# Altium PCB PWR_Switch_PCB.PcbDoc (continued)
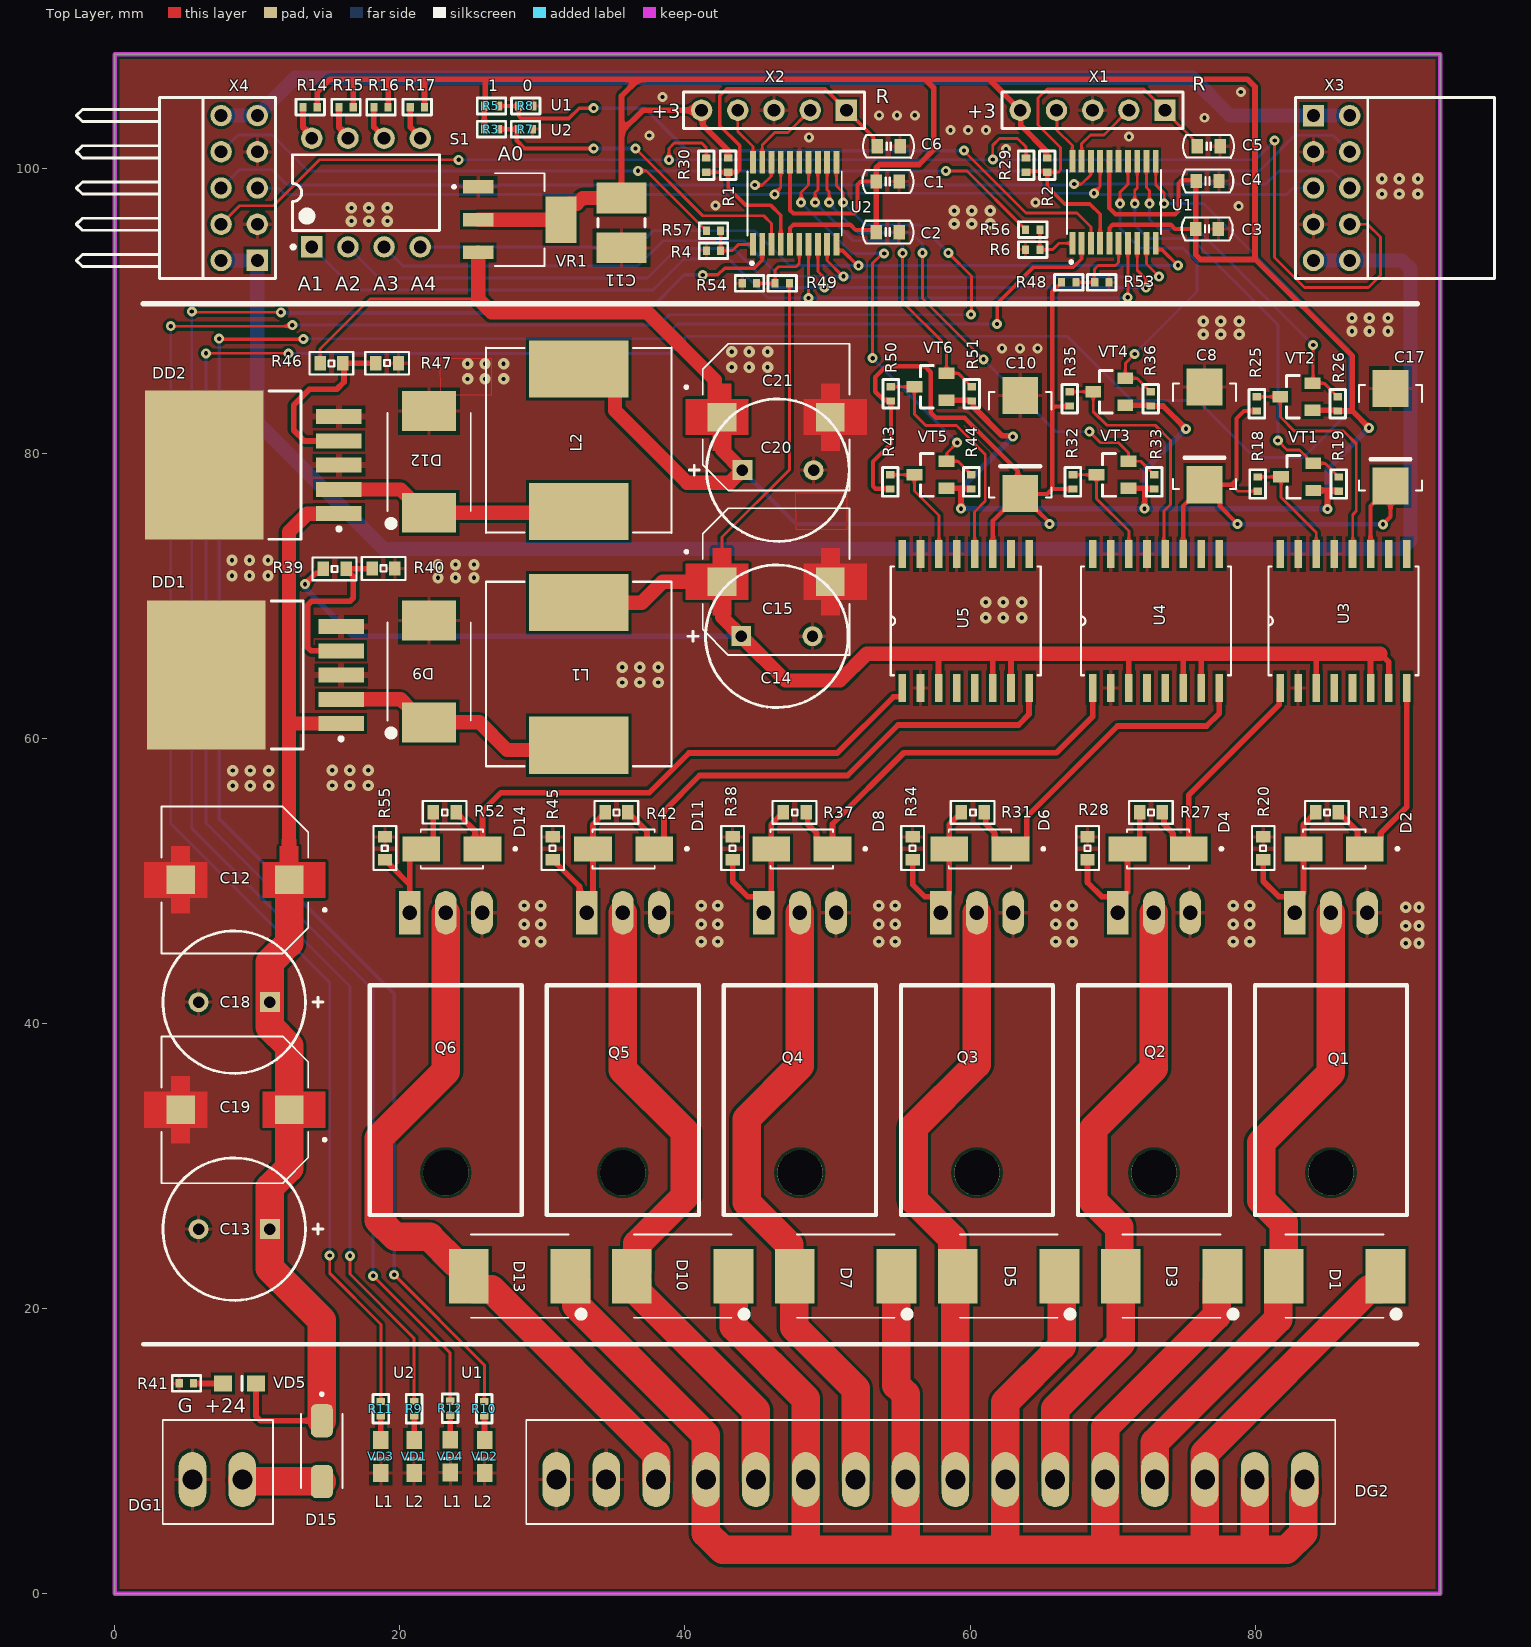
[diagram p0: Top Layer view]
## Part data (continued)

## Via types
v1: diameter 0.8, hole 0.3, Top Layer to Bottom Layer, tented both sides, 114 vias
v2: diameter 0.7, hole 0.3, Top Layer to Bottom Layer, tented both sides, 85 vias

## Nets (pads, with @x,y where several pads share a name; then routed paths per layer and width w, separated by ;. In a path a pad name is that pad's centre, name@x,y a point inside that pad or via, vN(x,y) a via of type N, cw(c..) or ccw(c..) an arc to the next point about the centre after c; other vN are vias at no path point)
+3.3v: C1.1 C2.1 C3.1 C4.1 C11.2 R1.2 R2.2 R3.2 R5.2 R14.1 R15.1 R16.1 R17.1 R19.1 R26.1 R33.1 R36.1 R44.1 R51.1 U1.5 U1.16 U2.5 U2.16 VR1.2 VR1.4 VT1.1 VT2.1 VT3.1 VT4.1 VT5.1 VT6.1 X1.5 X2.5 | length 272.7
  Top Layer w0.3: U2.5 47.375,95.816 47.609,96.05 51.6,96.05 51.975,95.675 C1.1@53.275,95.675 ; U2.16 47.375,97.059 47.609,96.825 51.866,96.825 52.1,97.059 52.1,98.841 52.334,99.075 C2.1 ; U1.16@69.775,100.5 69.775,97.214 70.214,96.775 74.391,96.775 74.625,97.009 74.625,98.941 74.859,99.175 C4.1@75.88,99.175 ; U1.5 69.78,95.816 70.014,96.05 74.08,96.05 74.38,95.75 C3.1@75.68,95.75
  Top Layer w0.4: R14.1 14.2,105.35 15.1,106.25 16.775,106.25 ; R15.1 16.725,106.2 16.775,106.25 ; R16.1 19.175,106.225 19.2,106.25 ; R17.1 21.725,106.25 ; R3.2 R5.2 25.975,104.425 25.975,104.684 26,104.709 26,106.25 ; C11.2 35.55,102.575 ; R1.2 43.001,100.75 43.001,101.299 41.252,103.048 41.252,103.993 X2.5 37.05,104.075 35.55,102.575 ; C1.1@53.275,95.675 C1.1 C2.1@53.425,98.975 ; C2.1@53.425,99.1 53.425,100.041 53.659,100.275 56.425,100.275 57.45,101.3 57.45,105.65 56.85,106.25 ; VT5.1 59.45,77.55 ; VT6.1 60.076,83.725 R51.1 60.176,83.675 60.226,83.625 60.226,83.274 62.268,81.232 62.943,81.232 v2(63,81.175) ; v2(59.375,76.125) 59.375,77.475 59.45,77.55 ; R44.1 60.05,77.55 59.45,77.55 ; R2.2 65.387,100.725 65.337,100.775 65.337,101.238 63.567,103.008 63.567,104.033 61.35,106.25 ; U1.16@69.775,100.5 U1.16 ; VT4.1 72.626,83.375 R36.1 73.55,83.325 v2(75.15,81.725) ; VT3.1 72.3,77.55 ; v2(72.25,76.125) 72.25,77.5 72.3,77.55 ; R33.1 72.875,77.55 72.3,77.55 ; C3.1@75.68,95.75 C3.1@75.83,95.6 ; C4.1@75.88,99.175 75.905,99.15 C4.1 75.83,99.075 C3.1 C3.1@75.83,95.6 ; VT2.1 85.751,83.025 R26.1 86.825,82.975 ; VT1.1 84.95,77.4 ; v2(85.075,76.1) 85.075,77.275 84.95,77.4 ; R19.1 85.825,77.4 84.95,77.4 ; v2(88,81.8) 86.825,82.975 ; 16.775,106.25 19.2,106.25 ; 19.2,106.25 21.725,106.25 ; 21.725,106.25 26,106.25 ; 26,106.25 36.725,106.25 ; 35.55,102.575 35.55,105.075 36.725,106.25 ; 36.725,106.25 56.85,106.25 ; 56.85,106.25 61.35,106.25 ; 61.35,106.25 79.475,106.25 80,105.725 80,93.65 ; C3.1@75.83,95.6 75.83,93.945 76.175,93.6 79.95,93.6 80,93.65 ; 80,93.65 86.825,86.825 86.825,82.975
  Top Layer w1: VR1.2 VR1.4 31.3,96.95 31.875,97.525 32.425,97.525 32.825,97.925 C11.2
  Bottom Layer w0.4: v2(63,81.175) 59.375,77.55 v2(59.375,76.125) v2(72.25,76.125) ; v2(75.15,81.725) 72.25,78.825 v2(72.25,76.125) ; v2(88,81.8) 85.075,78.875 v2(85.075,76.1) 85.05,76.125 v2(72.25,76.125)
+5v: C8.1 C10.1 C17.1 C20.1 C21.1 L2.P$2 R18.1 R25.1 R32.1 R35.1 R43.1 R46.2 R48.1 R50.1 U3.11 U4.11 U5.11 VR1.3 | length 188
  Top Layer w0.2: R46.2 14.4,87.325 17.9,90.825 25.5,90.825 ; 78.35,77.8 78.8,77.35 R18.1
  Top Layer w0.3: R43.1 54.375,77.525 53.376,77.525 53.2,77.701 53.2,79.425 54.45,80.675 R50.1 54.382,83.743 53.932,83.743 53.35,84.325 53.35,85.35 54.125,86.125 56.825,86.125 57.25,85.7 57.25,82.85 57.6,82.5 59.625,82.5 63.351,78.774 63.351,77.374 C10.1 C10.1@63.525,77.15 ; U5.11 61.605,75.28 62.375,76.05 62.425,76.05 C10.1@63.525,77.15 ; v2(65.575,75.05) 65.575,75.15 64.675,76.05 64.625,76.05 C10.1@63.525,77.15 ; R48.1 66.43,91.95 66.33,91.85 66.28,91.85 65.775,91.345 65.775,83.119 ; R35.1 66.969,83.294 65.951,83.294 65.775,83.119 ; R32.1 65.775,77.5 ; U4.11 74.955,76.305 75.3,76.65 75.35,76.65 C8.1@76.45,77.75 ; v2(78.775,75.05) 77.531,76.294 77.531,76.669 C8.1@76.45,77.75 ; R25.1 79.225,82.975 78.7,82.45 78.7,78.15 78.35,77.8 C8.1 C8.1@76.45,77.75 ; U3.11 88.105,76.305 88.35,76.55 88.4,76.55 C17.1@89.5,77.65 ; v2(88.975,75.029) 89.5,75.554 C17.1@89.5,77.65 ; C17.1 C17.1@89.5,77.65 ; C10.1@63.525,77.15 65.425,77.15 65.775,77.5 ; 65.775,77.5 65.775,83.119
  Top Layer w1: VR1.3 25.5,90.825 26.425,89.9 37.35,89.9 42.1,85.15 42.1,83.05 C21.1 42.6,80.25 C20.1 43.15,77.95 40.15,77.95 35.089,83.011 35.089,84.425 33.589,85.925 L2.P$2
  Bottom Layer w0.3: C20.1 47.8,75.05 v2(65.575,75.05) v2(78.775,75.05) 78.796,75.029 v2(88.975,75.029)
+12v: C14.1 C15.1 L1.P$2 R39.2 R49.1 U3.3 U3.6 U3.7 U4.3 U4.6 U4.7 U5.3 U5.6 U5.7 | length 141
  Top Layer w0.2: C15.1 42.6,74.125 47.325,78.85 R49.1
  Top Layer w0.4: v2(13.35,70.825) 14.125,71.6 14.425,71.6 14.625,71.8 R39.2 ; U5.3 57.795,65.695 58.05,65.95 ; 61.55,65.95 61.605,65.895 U5.6 ; U5.7 62.875,65.875 62.95,65.95 ; U4.3 71.145,65.895 71.2,65.95 ; U4.6 74.955,65.93 74.975,65.95 ; U4.7 76.225,65.925 76.25,65.95 ; 84.175,65.95 84.295,65.83 U3.3 ; 88.1,65.95 88.105,65.945 U3.6 ; 88.789,65.95 89.375,65.364 U3.7
  Top Layer w1: L1.P$2 36.975,69.525 38.45,71 C15.1 42.6,68.525 C14.1 47.05,64.075 50.875,64.075 52.75,65.95 58.05,65.95 61.55,65.95 62.95,65.95 71.2,65.95 74.975,65.95 76.25,65.95 84.175,65.95 88.1,65.95 88.789,65.95
  Bottom Layer w0.4: v2(13.35,70.825) 13.35,70.55 16.725,67.175 C14.1
+24v: C12.1 C13.1 C18.1 C19.1 D15.C DD1.1 DD2.1 VD5.K | length 80.3
  Top Layer w0.4: VD5.K 9.9,12.45 10.215,12.135 D15.C
  Top Layer w1: C12.1 12.225,61.05 ; DD2.1 13.5,75.775 12.225,74.5 12.225,61.05 ; DD1.1 12.225,61.05
  Top Layer w2: C12.1 12.225,45.65 10.875,44.3 C18.1 10.875,39.775 12.225,38.425 C19.1 12.225,29.85 10.875,28.5 C13.1 10.875,22.825 14.525,19.175 D15.C
A1: S1.1 U1.7 U2.7 | length 69
  Top Layer w0.2: v2(48.675,90.9) U2.7 ; v2(71.063,90.95) 71.19,90.95 71.225,90.915 71.08,90.77 U1.7
  Bottom Layer w0.2: S1.1 14.465,93.84 16.83,91.475 37.75,91.475 39.925,93.65 43.075,93.65 45.825,90.9 v2(48.675,90.9) 71.063,90.9 71.2,90.9 71.15,90.95 v2(71.063,90.95)
A2: S1.2 U1.8 U2.8 | length 65.5
  Top Layer w0.2: U2.8 49.325,92.775 49.775,92.325 v2(49.775,91.65) ; U1.8 71.73,92.85 72.375,92.205 72.375,91.65 v2(72.35,91.625)
  Bottom Layer w0.2: S1.2 18.545,92.3 37.375,92.3 39.45,94.375 43.425,94.375 46.15,91.65 v2(49.775,91.65) 72.325,91.65 v2(72.35,91.625)
A3: S1.3 U1.9 U2.9 | length 62.2
  Top Layer w0.2: U2.9 49.975,93.525 51.075,92.425 v2(51.125,92.425) ; U1.9 72.38,93.28 v2(73.259,92.401)
  Bottom Layer w0.2: S1.3 20.235,93.15 36.675,93.15 38.45,94.925 44.125,94.925 46.625,92.425 v2(51.125,92.425) 51.179,92.371 73.229,92.371 v2(73.259,92.401)
A4: S1.4 U1.10 U2.10 | length 59.5
  Top Layer w0.25: U2.10 50.625,94.316 50.705,94.236 51.059,94.236 52.12,93.175 v2(52.175,93.175) ; U1.10 73.03,94.391 73.11,94.311 73.464,94.311 74.575,93.2 v2(74.6,93.2)
  Bottom Layer w0.2: S1.4 36.64,94.49 37.775,95.625 44.875,95.625 47.325,93.175 v2(52.175,93.175) v2@74.575,93.175
  Bottom Layer w0.25: v2@74.575,93.175 v2(74.6,93.2)
ADC: R48.2 R53.2 U1.6 | length 5.5
  Top Layer w0.2: R48.2 68.73,92 68.73,92.925 68.98,93.175 70.205,93.175 70.43,93.4 U1.6
ADC1: R49.2 R54.2 U2.6 | length 5.5
  Top Layer w0.2: R54.2 R49.2 46.325,92.85 46.575,93.1 47.8,93.1 48.025,93.325 U2.6
CH1: R26.2 U1.12 VT2.2 | length 24.2
  Top Layer w0.2: U1.12 72.38,98.645 72.592,98.433 v2(72.592,97.525) ; v2(84.075,87.6) 84.075,84.975 VT2.2 84.851,84.925 85.601,84.175 85.601,84.125 85.751,83.975 R26.2
  Bottom Layer w0.2: v2(72.592,97.525) 72.592,96.408 73.25,95.75 75.925,95.75 78.3,93.375 v2(84.075,87.6)
CH2: R19.2 U1.13 VT1.2 | length 31.1
  Top Layer w0.2: v2(71.558,97.525) 71.558,98.458 71.73,98.63 U1.13 ; v2(81.6,80.9) 82.25,80.25 83.125,80.25 83.625,79.75 83.625,79.6 83.925,79.3 84.925,79.3 85.675,78.55 85.675,78.5 85.825,78.35 R19.2
  Bottom Layer w0.2: v2(71.558,97.525) 71.558,96.017 72.5,95.075 75.55,95.075 81.6,89.025 v2(81.6,80.9)
CH3: R36.2 U1.14 VT4.2 | length 23.7
  Top Layer w0.2: v2(70.525,97.525) 70.525,98.325 71.08,98.88 U1.14 ; v2(71.55,86.975) 70.9,86.325 VT4.2 71.726,85.275 72.476,84.525 72.476,84.475 72.626,84.325 R36.2
  Bottom Layer w0.2: v2(70.525,97.525) 70.525,95.8 71.925,94.4 74.95,94.4 75.925,93.425 75.925,91.35 v2(71.55,86.975)
CH4: R33.2 U2.12 VT3.2 | length 36.3
  Top Layer w0.2: U2.12 49.975,98.5 50.117,98.358 v2(50.117,97.6) ; v2(56.675,94.075) 56.675,90.875 v2(60.95,86.6) ; v2(68.375,81.525) 69.15,80.75 70.425,80.75 71.125,80.05 VT3.2 71.975,79.45 72.725,78.7 72.725,78.65 72.875,78.5 R33.2
  Bottom Layer w0.2: v2(50.117,97.6) 50.117,97.533 52.175,95.475 55.9,95.475 56.675,94.7 v2(56.675,94.075) ; v2(60.95,86.6) 66.025,81.525 v2(68.375,81.525)
CH5: R51.2 U2.13 VT6.2 | length 22.7
  Top Layer w0.2: v2(49.133,97.6) 49.133,98.308 49.325,98.5 U2.13 ; v2(55.275,94.05) 55.275,90.625 58.35,87.55 VT6.2 59.176,85.625 59.926,84.875 59.926,84.825 60.076,84.675 R51.2
  Bottom Layer w0.2: v2(49.133,97.6) 51.808,94.925 54.875,94.925 55.253,94.547 55.253,94.072 v2(55.275,94.05)
CH6: R44.2 U2.14 VT5.2 | length 30.5
  Top Layer w0.2: v2(48.15,97.6) 48.15,98.3 48.675,98.825 U2.14 ; v2(53.171,86.679) 53.171,93.346 53.85,94.025 v2(53.975,94.025) ; v2(59.1,80.75) 58.383,80.033 58.383,79.483 VT5.2 59.15,79.45 59.9,78.7 59.9,78.65 60.05,78.5 R44.2
  Bottom Layer w0.2: v2(48.15,97.6) 51.725,94.025 v2(53.975,94.025) ; v2@53.171,86.929 v2(53.171,86.679) v2(59.1,80.75)
GND: C1.2 C2.2 C3.2 C4.2 C5.1 C6.1 C8.2 C10.2 C11.1 C12.2 C13.2 C14.2 C15.2 C17.2 C18.2 C19.2 C20.2 C21.2 D9.A D12.A DD1.3 DD1.5 DD1.6 DD2.3 DD2.5 DD2.6 DG1.2 DG2.15 DG2.16 Q1.3 Q2.3 Q3.3 Q4.3 Q5.3 Q6.3 R4.2 R6.2 R7.1 R8.1 R20.2 R28.2 R34.2 R38.2 R40.2 R41.1 R45.2 R47.2 R53.1 R54.1 R55.2 U1.15 U2.15 U3.2 U3.13 U3.15 U4.2 U4.13 U4.15 U5.2 U5.13 U5.15 VD1.K VD2.K VD3.K VD4.K VR1.1 X1.3 X2.3 X3.3 X3.7 X4.3 X4.7
  other v1: 90.575,45.625 91.5,45.625 28.725,45.75 29.875,45.75 41.15,45.75 42.3,45.75 53.6,45.75 54.75,45.75 66.025,45.75 67.175,45.75 78.475,45.75 79.625,45.75 90.575,46.85 91.5,46.85 28.725,46.975 29.875,46.975 41.15,46.975 42.3,46.975 53.6,46.975 54.75,46.975 66.025,46.975 67.175,46.975 78.475,46.975 79.625,46.975 90.575,48.15 91.5,48.15 28.725,48.275 29.875,48.275 41.15,48.275 42.3,48.275 53.6,48.275 54.75,48.275 66.025,48.275 67.175,48.275 78.475,48.275 79.625,48.275 8.275,56.675 9.5,56.675 10.8,56.675 15.25,56.7 16.475,56.7 17.775,56.7 8.275,57.75 9.5,57.75 10.8,57.75 15.25,57.775 16.475,57.775 17.775,57.775 35.6,63.925 36.825,63.925 38.125,63.925 35.6,65 36.825,65 38.125,65 61.1,68.475 62.325,68.475 63.625,68.475 61.1,69.55 62.325,69.55 63.625,69.55 22.675,71.275 23.9,71.275 25.2,71.275 8.225,71.425 9.45,71.425 10.75,71.425 22.675,72.2 23.9,72.2 25.2,72.2 8.225,72.5 9.45,72.5 10.75,72.5 24.75,85.225 25.975,85.225 27.275,85.225 43.275,86.05 44.5,86.05 45.8,86.05 24.75,86.3 25.975,86.3 27.275,86.3 43.275,87.125 44.5,87.125 45.8,87.125 76.375,88.35 77.6,88.35 78.9,88.35 86.8,88.575 88.025,88.575 89.325,88.575 76.375,89.275 77.6,89.275 78.9,89.275 86.8,89.5 88.025,89.5 89.325,89.5 58.9,96.1 60.125,96.1 61.425,96.1 16.6,96.3 17.825,96.3 19.125,96.3 58.9,97.025 60.125,97.025 61.425,97.025 16.6,97.225 17.825,97.225 19.125,97.225 88.9,98.2 90.125,98.2 91.425,98.2 88.9,99.275 90.125,99.275 91.425,99.275
  other v2: 62.25,87.375 63.5,87.375 64.75,87.375 78.85,97.35 42.15,97.4 64.6,97.6 62.525,101.35 48.7,102.175 71.15,102.225 37.5,102.3 58.625,102.675 59.875,102.675 61.125,102.675 76.45,103.55 53.625,103.725 54.875,103.725 56.125,103.725 38.425,105 79,105.35
M1_A0: R5.1 R8.2 U1.3 | length 47.3
  Top Layer w0.2: v2(59.575,101.25) 59.575,101.225 63.925,96.875 67.5,96.875 68.48,95.895 U1.3
  Top Layer w0.25: R5.1 R8.2 28.34,103.646 28.487,103.5 31.85,103.5 32.575,104.225 v2(33.6,104.225)
  Bottom Layer w0.25: v2(33.6,104.225) 37.175,104.225 39.475,101.925 40.175,101.225 59.55,101.225 v2(59.575,101.25)
M1_BOOT: R6.1 R56.2 U1.1 | length 3.9
  Top Layer w0.2: R56.2 R6.1 65.8,94.3 66.245,94.745 U1.1
M1_LED: R10.1 U1.2 | length 147.1
  Top Layer w0.2: v2(19.6,22.375) 25.925,16.05 R10.1
  Top Layer w0.25: v2(7.325,88.05) 7.35,88.025 v2(13.225,88.025) ; v2(61.9,89.075) 61.9,90.524 64.451,93.075 67.255,93.075 67.83,93.65 U1.2
  Bottom Layer w0.2: v2(13.225,88.025) 13.25,88.05 38.45,88.05 39.475,89.075 v2(61.9,89.075)
  Bottom Layer w0.25: v2(7.325,88.05) 7.325,54.35 19.6,42.075 v2(19.6,22.375)
M1_LED1: R12.1 U1.11 | length 191
  Top Layer w0.2: v2(6.4,87.025) 12.15,87.025 v2(12.175,87) ; v2(18.125,22.3) 23.525,16.9 R12.1 ; U1.11 73.03,98.845 73.625,98.25 v2(73.625,97.525)
  Bottom Layer w0.2: v2(6.4,87.025) 6.4,54.075 18.125,42.35 v2(18.125,22.3) ; v2(12.175,87) 38.9,87 40.125,88.225 66.825,88.225 71.325,83.725 75.95,83.725 79.95,79.725 83.4,79.725 86.575,82.9 86.575,87.325 76.375,97.525 v2(73.625,97.525)
M1_NRST: C5.2 R2.1 R29.2 U1.4 X1.1 | length 29.1
  Top Layer w0.2: R2.1 65.431,99.725 66.2,99.725 66.35,99.875 66.35,101.475 64.775,103.05 64.775,104.925 65.425,105.575 72.185,105.575 X1.1 74.335,103.425 74.335,103.365 75.65,102.05 75.65,101.85 C5.2
  Top Layer w0.25: R29.2@63.905,99.8 65.431,99.8 65.431,99.725 65.431,98.724 66.655,97.5 68.405,97.5 69.13,96.775 U1.4
M1_SWCLK: U1.20 X1.4 | length 4.1
  Top Layer w0.2: X1.4@66.115,104.15 66.115,102.665 67.18,101.6 U1.20
M1_SWDIO: U1.19 X1.2 | length 5.6
  Top Layer w0.2: U1.19 67.83,101.725 68.455,102.35 69.395,102.35 X1.2@71.195,104.15
M2_A0: R3.1 R7.2 U2.3 | length 24
  Top Layer w0.2: v2(36.525,101.4) 41.25,96.675 45.525,96.675 46.075,96.125 U2.3
  Top Layer w0.3: R3.1 R7.2 28.215,102.65 28.215,102.439 28.2,102.424 28.2,101.95 28.75,101.4 v2(33.6,101.4)
  Bottom Layer w0.3: v2(33.6,101.4) v2(36.525,101.4)
M2_BOOT: R4.1 R57.2 U2.1 | length 3.9
  Top Layer w0.2: R57.2 R4.1 43.325,94.225 43.77,94.67 U2.1
M2_LED: R9.1 U2.2 | length 125.6
  Top Layer w0.2: v2(5.4,89.95) 5.45,89.9 v2(11.65,89.9) ; v2(16.5,23.7) 16.5,22.425 21,17.925 R9.1
  Top Layer w0.25: v2(41.25,92.525) 42.311,92.525 42.786,93 44.85,93 45.425,93.575 U2.2
  Bottom Layer w0.2: v2(5.4,89.95) 5.4,53.7 16.5,42.6 v2(16.5,23.7)
  Bottom Layer w0.25: v2(11.65,89.9) 11.7,89.85 37.275,89.85 39.95,92.525 v2(41.25,92.525)
M2_LED1: R11.1 U2.11 | length 154.9
  Top Layer w0.2: v2(3.925,88.925) 12.325,88.925 12.425,89.025 v2(12.45,89) ; v2(15.075,23.725) 15.075,22.475 18.667,18.883 R11.1 ; U2.11 50.625,98.775 51.1,98.3 v2(51.1,97.6) ; v2(58.475,94.075) 60.1,92.45 60.1,89.775 v2(60.075,89.75)
  Bottom Layer w0.2: v2(3.925,88.925) 3.925,54.025 15.075,42.875 v2(15.075,23.725) ; v2(12.45,89) 38.175,89 38.9,89.725 60.05,89.725 v2(60.075,89.75) ; v2(51.1,97.6) 52.675,96.025 56.525,96.025 v2(58.475,94.075)
M2_NRST: C6.2 R1.1 R30.2 U2.4 X2.1 | length 29
  Top Layer w0.25: R30.2 R1.1 ; U2.4 46.725,96.7 46,97.425 44.25,97.425 43.026,98.649 R1.1 ; C6.2 53.225,101.825 53.225,102.18 X2.1 49.83,105.575 42.925,105.575 42.45,105.1 42.45,103 43.85,101.6 43.85,99.871 43.704,99.725 R1.1
M2_SWCLK: U2.20 X2.4 | length 4.1
  Top Layer w0.2: X2.4 43.71,102.59 44.775,101.525 U2.20
M2_SWDIO: U2.19 X2.2 | length 5.6
  Top Layer w0.2: U2.19 45.425,101.65 46.3,102.525 47.24,102.525 X2.2
NetD2_A: D2.A Q1.1 R13.2 R20.1 | length 12.1
  Top Layer w0.4: R20.1 80.575,49.985 81.657,48.903 82.223,48.903 Q1.1@82.785,48.341 ; Q1.1 Q1.1@82.785,48.341 ; R13.2 84.25,54.72 84.05,54.52 83.95,54.52 83.4,53.97 D2.A 83.4,49.152 82.785,48.537 Q1.1@82.785,48.341
NetD2_K: D2.K R13.1 U3.8 | length 16.2
  Top Layer w0.4: R13.1 85.85,54.72 86.05,54.52 86.15,54.52 87.184,53.486 87.184,52.761 D2.K 88.149,52.245 88.824,52.92 88.824,53.369 90.645,55.19 U3.8
NetD4_A: D4.A Q2.1 R27.2 R28.1 | length 12.3
  Top Layer w0.4: R28.1 68.25,49.89 69.237,48.903 69.803,48.903 Q2.1@70.365,48.341 ; Q2.1 Q2.1@70.365,48.341 ; D4.A D4.A@71.05,52.025 ; R27.2 71.9,52.875 D4.A@71.05,52.025 ; Q2.1@70.365,48.341 70.365,48.537 71.05,49.222 D4.A@71.05,52.025
NetD4_K: D4.K R27.1 U3.1 | length 17.6
  Top Layer w0.4: R27.1 73.612,54.708 73.612,53.983 74.226,53.369 74.226,52.92 74.901,52.245 D4.K 75.35,56.025 81.688,62.363 81.688,63.483 U3.1
NetD6_A: D6.A Q3.1 R31.2 R34.1 | length 12
  Top Layer w0.4: R34.1 55.975,49.745 56.817,48.903 57.383,48.903 Q3.1@57.945,48.341 ; Q3.1 Q3.1@57.945,48.341 ; R31.2 59.4,54.72 59.2,54.52 59.1,54.52 58.55,53.97 D6.A 58.55,49.142 57.945,48.537 Q3.1@57.945,48.341
NetD6_K: D6.K R31.1 U4.8 | length 24.9
  Top Layer w0.4: R31.1 61.112,54.708 61.112,53.983 61.726,53.369 61.726,52.92 62.401,52.245 D6.K 63.299,52.245 63.974,52.92 63.974,54.499 70.35,60.875 76.6,60.875 77.495,61.77 U4.8
NetD8_A: D8.A Q4.1 R37.2 R38.1 | length 12.6
  Top Layer w0.4: R38.1 43.35,49.95 44.397,48.903 44.963,48.903 45.525,48.341 Q4.1 46.05,48.3 D8.A 46.05,53.97 46.6,54.52 46.7,54.52 46.9,54.72 R37.2
NetD8_K: D8.K R37.1 U4.1 | length 28.8
  Top Layer w0.4: R37.1 48.612,54.708 48.612,53.983 49.226,53.369 49.226,52.92 49.901,52.245 D8.K 50.35,54 55.35,59 66.075,59 68.605,61.53 U4.1
NetD9_C: D9.C DD1.2 L1.P$1 | length 18.3
  Top Layer w1: DD1.2 20.059,62.75 20.645,62.164 20.645,62.028 21.542,61.132 D9.C 25.593,61.132 27.525,59.2 32.25,59.2 L1.P$1@32.55,59.5
NetD11_A: D11.A Q5.1 R42.2 R45.1 | length 12.4
  Top Layer w0.4: R45.1 30.825,51.5 31.025,51.3 31.025,51.2 32.61,49.615 32.61,48.27 Q5.1 33.55,48.22 D11.A 33.55,53.97 34.1,54.52 34.2,54.52 34.4,54.72 R42.2
NetD11_K: D11.K R42.1 U5.8 | length 36.6
  Top Layer w0.4: R42.1 36,54.72 36.2,54.52 36.3,54.52 37.334,53.486 37.334,52.761 D11.K 38.525,52.92 38.525,54.9 41.025,57.4 51.4,57.4 54.95,60.95 63.4,60.95 64.145,61.695 U5.8
NetD12_C: D12.C DD2.2 L2.P$1 | length 17.6
  Top Layer w1: DD2.2 20.059,77.475 20.645,76.889 20.645,76.728 21.542,75.831 D12.C 32.457,75.831 L2.P$1
NetD14_A: D14.A Q6.1 R52.2 R55.1 | length 10.4
  Top Layer w0.4: R55.1 19.05,51.5 19.25,51.3 19.25,51.2 20.685,49.765 ; Q6.1 20.685,49.765 ; R52.2 22.35,52.92 21.675,52.245 D14.A 21.36,52.245 20.685,51.57 20.685,49.765
NetD14_K: D14.K R52.1 U5.1 | length 39.4
  Top Layer w0.4: R52.1 23.95,54.725 24.15,54.525 24.25,54.525 25.289,53.486 25.289,52.756 D14.K 25.8,54.9 27.1,56.2 37.503,56.2 40.278,58.975 50.68,58.975 54.623,62.918 55.188,62.918 55.255,62.984 U5.1
NetD15_A: D15.A DG1.1 | length 5.7
  Top Layer w2: DG1.1 8.95,7.935 8.985,7.9 14.49,7.9 D15.A
NetDD1_4: DD1.4 R39.1 R40.1 | length 12.9
  Top Layer w0.4: DD1.4 13.759,66.15 13.525,66.384 13.525,69.35 13.8,69.625 16.491,69.625 16.725,69.859 16.725,71.366 16.491,71.6 16.425,71.6 16.225,71.8 R39.1 18.025,71.9 R40.1
NetDD2_4: DD2.4 R46.1 R47.1 | length 13.1
  Top Layer w0.4: DD2.4 13.3,80.875 12.55,81.625 12.55,83.4 13.65,84.5 15.575,84.5 16.075,85 16.075,86.25 R46.1 R47.1
NetR9_2: R9.2 VD1.A | length 1.7
  Top Layer w0.4: VD1.A R9.2
NetR10_2: R10.2 VD2.A | length 1.7
  Top Layer w0.4: R10.2 25.938,12.463 25.938,10.788 VD2.A
NetR11_2: R11.2 VD3.A | length 1.7
  Top Layer w0.4: VD3.A R11.2
NetR12_2: R12.2 VD4.A | length 1.7
  Top Layer w0.4: R12.2 23.534,12.491 23.534,10.809 VD4.A
NetR14_2: R14.2 S1.8 | length 2.4
  Top Layer w0.4: R14.2 13.2,102.894 13.815,102.279 S1.8
NetR15_2: R15.2 S1.7 | length 2.5
  Top Layer w0.4: R15.2 15.725,102.894 16.355,102.264 S1.7
NetR16_2: R16.2 S1.6 | length 2.5
  Top Layer w0.4: R16.2 18.175,102.894 18.895,102.174 S1.6
NetR17_2: R17.2 S1.5 | length 2.5
  Top Layer w0.4: R17.2 20.725,102.894 21.435,102.184 S1.5
NetR18_2: R18.2 U3.14 VT1.3 | length 8.1
  Top Layer w0.2: R18.2 VT1.3 81.825,76.925 84.295,74.455 U3.14
NetR25_2: R25.2 U3.12 VT2.3 | length 17
  Top Layer w0.2: R25.2 VT2.3 81.775,82.55 82.75,81.575 86.2,81.575 87.1,80.675 87.1,75.95 86.85,75.7 86.85,72.963 U3.12
NetR29_1: R29.1 R30.1 X3.8 X4.4 | length 107.4
  Top Layer w0.2: X4.4 8.755,97.375 11.125,97.375 14.35,100.6 v2(24.125,100.6) ; v2(38.875,100.6) 38.875,101.4 39.25,101.775 41.175,101.775 41.5,101.45 R30.1 ; v2(61.6,100.625) 61.6,101.625 62.075,102.1 63.34,102.1 63.93,101.51 R29.1 ; v2(81.375,101.95) 81.375,98.025 81.375,93.75 83.475,91.65 87.95,91.65 88.8,92.5 88.8,95.175 87.895,96.08 X3.8
  Bottom Layer w0.2: v2(24.125,100.6) v2(38.875,100.6) 80.025,100.6 v2(81.375,101.95)
NetR32_2: R32.2 U4.14 VT3.3 | length 8.1
  Top Layer w0.2: R32.2 VT3.3 68.875,76.825 71.145,74.555 U4.14
NetR35_2: R35.2 U4.12 VT4.3 | length 17.5
  Top Layer w0.2: R35.2 VT4.3 68.65,82.925 69.6,81.975 73,81.975 74.075,80.9 74.075,76.425 73.6,75.95 73.6,73.033 U4.12
NetR41_2: R41.2 VD5.A | length 2.1
  Top Layer w0.4: R41.2 VD5.A
NetR43_2: R43.2 U5.14 VT5.3 | length 8
  Top Layer w0.2: R43.2 VT5.3 56.1,77.375 57.825,75.65 57.825,72.978 U5.14
NetR50_2: R50.2 U5.12 VT6.3 | length 17
  Top Layer w0.2: R50.2 VT6.3 56.1,82.75 56.9,81.95 59.05,81.95 61.075,79.925 61.075,76.65 60.325,75.9 60.325,72.958 U5.12
NetR56_1: R56.1 R57.1 X3.4 X4.8 | length 96.1
  Top Layer w0.2: v2(36.7,99.825) 37.3,99.825 41.3,95.825 41.35,95.825 41.5,95.675 R57.1 ; v2(58.3,99.825) 59.78,99.825 63.705,95.9 63.755,95.9 63.905,95.75 R56.1
  Bottom Layer w0.2: X4.8 8.65,102.35 11.025,102.35 13.55,99.825 v2(36.7,99.825) v2(58.3,99.825) 80.3,99.825 82.8,102.325 85.475,102.325 X3.4
NetX3_1: X3.1 X3.2 X4.9 X4.10 | length 81.4
  Bottom Layer w1: X4.10 X4.9 12.65,106.35 75.6,106.35 78.25,103.7 X3.1 X3.2
NetX3_9: X3.9 X3.10 X4.1 X4.2 | length 124.8
  Bottom Layer w1: X4.2 X4.1 10,82.175 18.875,73.3 90.314,73.3 90.9,73.886 90.9,92.954 90.314,93.54 X3.10 X3.9
OUT1: D1.A DG2.4 Q1.2 | length 46.2
  Top Layer w2: DG2.4 72.975,10.625 81.609,19.259 81.609,21.878 D1.A 82.006,26.019 80.425,27.6 80.425,31.65 85.325,36.55 Q1.2
OUT2: D3.A DG2.6 Q2.2 | length 44.2
  Top Layer w2: DG2.6 65.975,12.975 70.571,17.571 D3.A 70.463,22.383 70.463,25.712 68.65,27.525 68.65,32.6 72.905,36.855 Q2.2
OUT3: D5.A DG2.8 Q3.2 | length 43
  Top Layer w2: DG2.8 58.975,22.114 D5.A 58.739,22.672 58.739,24.936 56.05,27.625 56.05,32.725 60.485,37.16 Q3.2
OUT4: D7.A DG2.10 Q4.2 | length 44.5
  Top Layer w2: Q4.2 48.065,37.04 44.325,33.3 44.325,27.475 47.304,24.496 47.304,22.672 D7.A 47.661,22.234 47.661,18.689 51.975,14.375 DG2.10
OUT5: D10.A DG2.12 Q5.2 | length 46.7
  Top Layer w2: Q5.2 35.645,36.755 40,32.4 40,27.875 36.663,24.538 36.663,22.672 D10.A 36.663,21.878 36.663,21.187 44.975,12.875 DG2.12
OUT6: D13.A DG2.14 Q6.2 | length 52.2
  Top Layer w2: Q6.2 23.225,36.65 18.525,31.95 18.525,26.197 19.697,25.025 22.082,25.025 23.927,23.18 24.435,23.18 24.831,22.783 D13.A 24.831,21.767 25.228,21.37 26.405,21.37 37.975,9.8 DG2.14
PWR: D1.C D3.C D5.C D7.C D10.C D13.C DG2.1 DG2.2 DG2.3 DG2.5 DG2.7 DG2.9 DG2.11 DG2.13 | length 183
  Top Layer w2: D13.C 32.365,21.878 32.365,20.235 41.475,11.125 DG2.13 41.475,4.247 42.647,3.075 48.575,3.075 ; D10.C 43.412,22.267 43.412,18.738 48.475,13.675 DG2.11 48.475,3.175 48.575,3.075 ; D7.C 54.838,14.637 55.475,14 DG2.9 55.475,3.175 55.575,3.075 ; D5.C 66.425,22.123 66.425,17.375 62.475,13.425 DG2.7 62.475,3.25 62.3,3.075 ; D3.C 77.311,21.878 77.311,19.511 69.475,11.675 DG2.5 69.475,3.1 69.5,3.075 ; DG2.2 79.975,3.35 79.7,3.075 ; DG2.1 83.475,7.104 83.375,7.004 83.375,4.247 82.203,3.075 79.7,3.075 ; D1.C 89.143,21.767 88.746,21.37 87.995,21.37 76.475,9.85 DG2.3 76.475,3.1 76.5,3.075 ; 48.575,3.075 55.575,3.075 ; 55.575,3.075 62.3,3.075 ; 62.3,3.075 69.5,3.075 ; 69.5,3.075 76.5,3.075 ; 76.5,3.075 79.7,3.075
RX_BUS: U1.18 U2.18 X3.6 X4.6 | length 85.9
  Top Layer w0.2: v2(44.9,98.825) 45.425,98.825 46.067,99.467 46.067,100.422 U2.18 ; v2(67.305,98.9) 67.83,98.9 68.472,99.542 68.472,100.497 U1.18
  Bottom Layer w0.2: X4.6 8.74,99.9 11.025,99.9 12.1,98.825 v2(44.9,98.825) 67.23,98.825 v2(67.305,98.9) 80.75,98.9 81.675,99.825 85.435,99.825 X3.6
TX_BUS: U1.17 U2.17 X3.5 X4.5 | length 79.4
  Top Layer w0.2: v2(46.3,98.175) 46.3,98.225 46.725,98.65 U2.17 ; v2(68.705,98.25) 68.705,98.3 69.13,98.725 U1.17
  Bottom Layer w0.2: X4.5 10.02,98.6 11.5,98.6 11.925,98.175 v2(46.3,98.175) 46.375,98.25 v2(68.705,98.25) 68.78,98.175 82.225,98.175 82.67,98.62 X3.5
pads on no net: Q1. Q2. Q3. Q4. Q5. Q6. U3.4 U3.5 U3.9 U3.10 U3.16 U4.4 U4.5 U4.9 U4.10 U4.16 U5.4 U5.5 U5.9 U5.10 U5.16

## Polygon pours and split planes (outlines as drawn)
GND on Top Layer "GND" (solid, remove dead copper, pour order 27): 0,108 93,108 93,0 0,0
+12v on Top Layer "+12v" (solid, remove dead copper, pour order 16): 22.85,86.675 26.325,86.675 26.425,86.675 26.425,84.075 22.875,84.075 22.875,84.1
+5v on Top Layer "+5v" (solid, remove dead copper, pour order 15): 47.775,77.25 51.25,77.25 51.35,77.25 51.35,74.65 47.8,74.65 47.8,74.675
GND on Bottom Layer "GND" (solid, remove dead copper, pour order 24): 0,108 93,108 93,0 0,0
+12v on Bottom Layer "+12v" (solid, remove dead copper, pour order 19): 22.85,86.675 26.325,86.675 26.425,86.675 26.425,84.075 22.875,84.075 22.875,84.1
+5v on Bottom Layer "+5v" (solid, remove dead copper, pour order 12): 47.775,77.25 51.25,77.25 51.35,77.25 51.35,74.65 47.8,74.65 47.8,74.675

## Keep-outs
Keep-Out Layer:
  the board outline again, w0.3

## Silkscreen, mask and mechanical layers (free items; w line width, h text height)
Top Overlay:
  lines w0.3: 2,17.5 91.375,17.5
  lines w0.4: 2,90.5 91.375,90.5
  text "1" at 26.2,105.425 h0.8
  text "0" at 28.625,105.425 h0.8
  text "R" at 75.579,105.429 h1
  text "R" at 53.404,104.579 h1
  text "U1" at 30.575,104.025 h0.8
  text "+3" at 37.679,103.529 h1
  text "+3" at 59.804,103.529 h1
  text "U2" at 30.575,102.3 h0.8
  text "A0" at 26.854,100.529 h1
  text "A1" at 12.829,91.404 h1
  text "A2" at 15.479,91.404 h1
  text "A3" at 18.129,91.404 h1
  text "A4" at 20.779,91.404 h1
  text "U2" at 19.525,15.125 h0.8
  text "U1" at 24.3,15.125 h0.8
  text "G  +24" at 4.429,12.679 h1
  text "L1" at 18.225,6.05 h0.8
  text "L2" at 20.375,6.05 h0.8
  text "L1" at 23.05,6.05 h0.8
  text "L2" at 25.2,6.05 h0.8